# Altium PCB BMS029B.PcbDoc (part 1 of 4)
Units mil, origin at the board's own origin, x right, y up, seen from the top; angles counter-clockwise.
Board outline 4950 x 4000 mil, 4 copper layers (Layer 1 - Top Layer, Layer 2 - GND, Layer 3 - Signal, Layer 4 - Bottom Layer), stack 61.4 mil thick; 370 components, 202 nets, 969 pads, 408 vias.
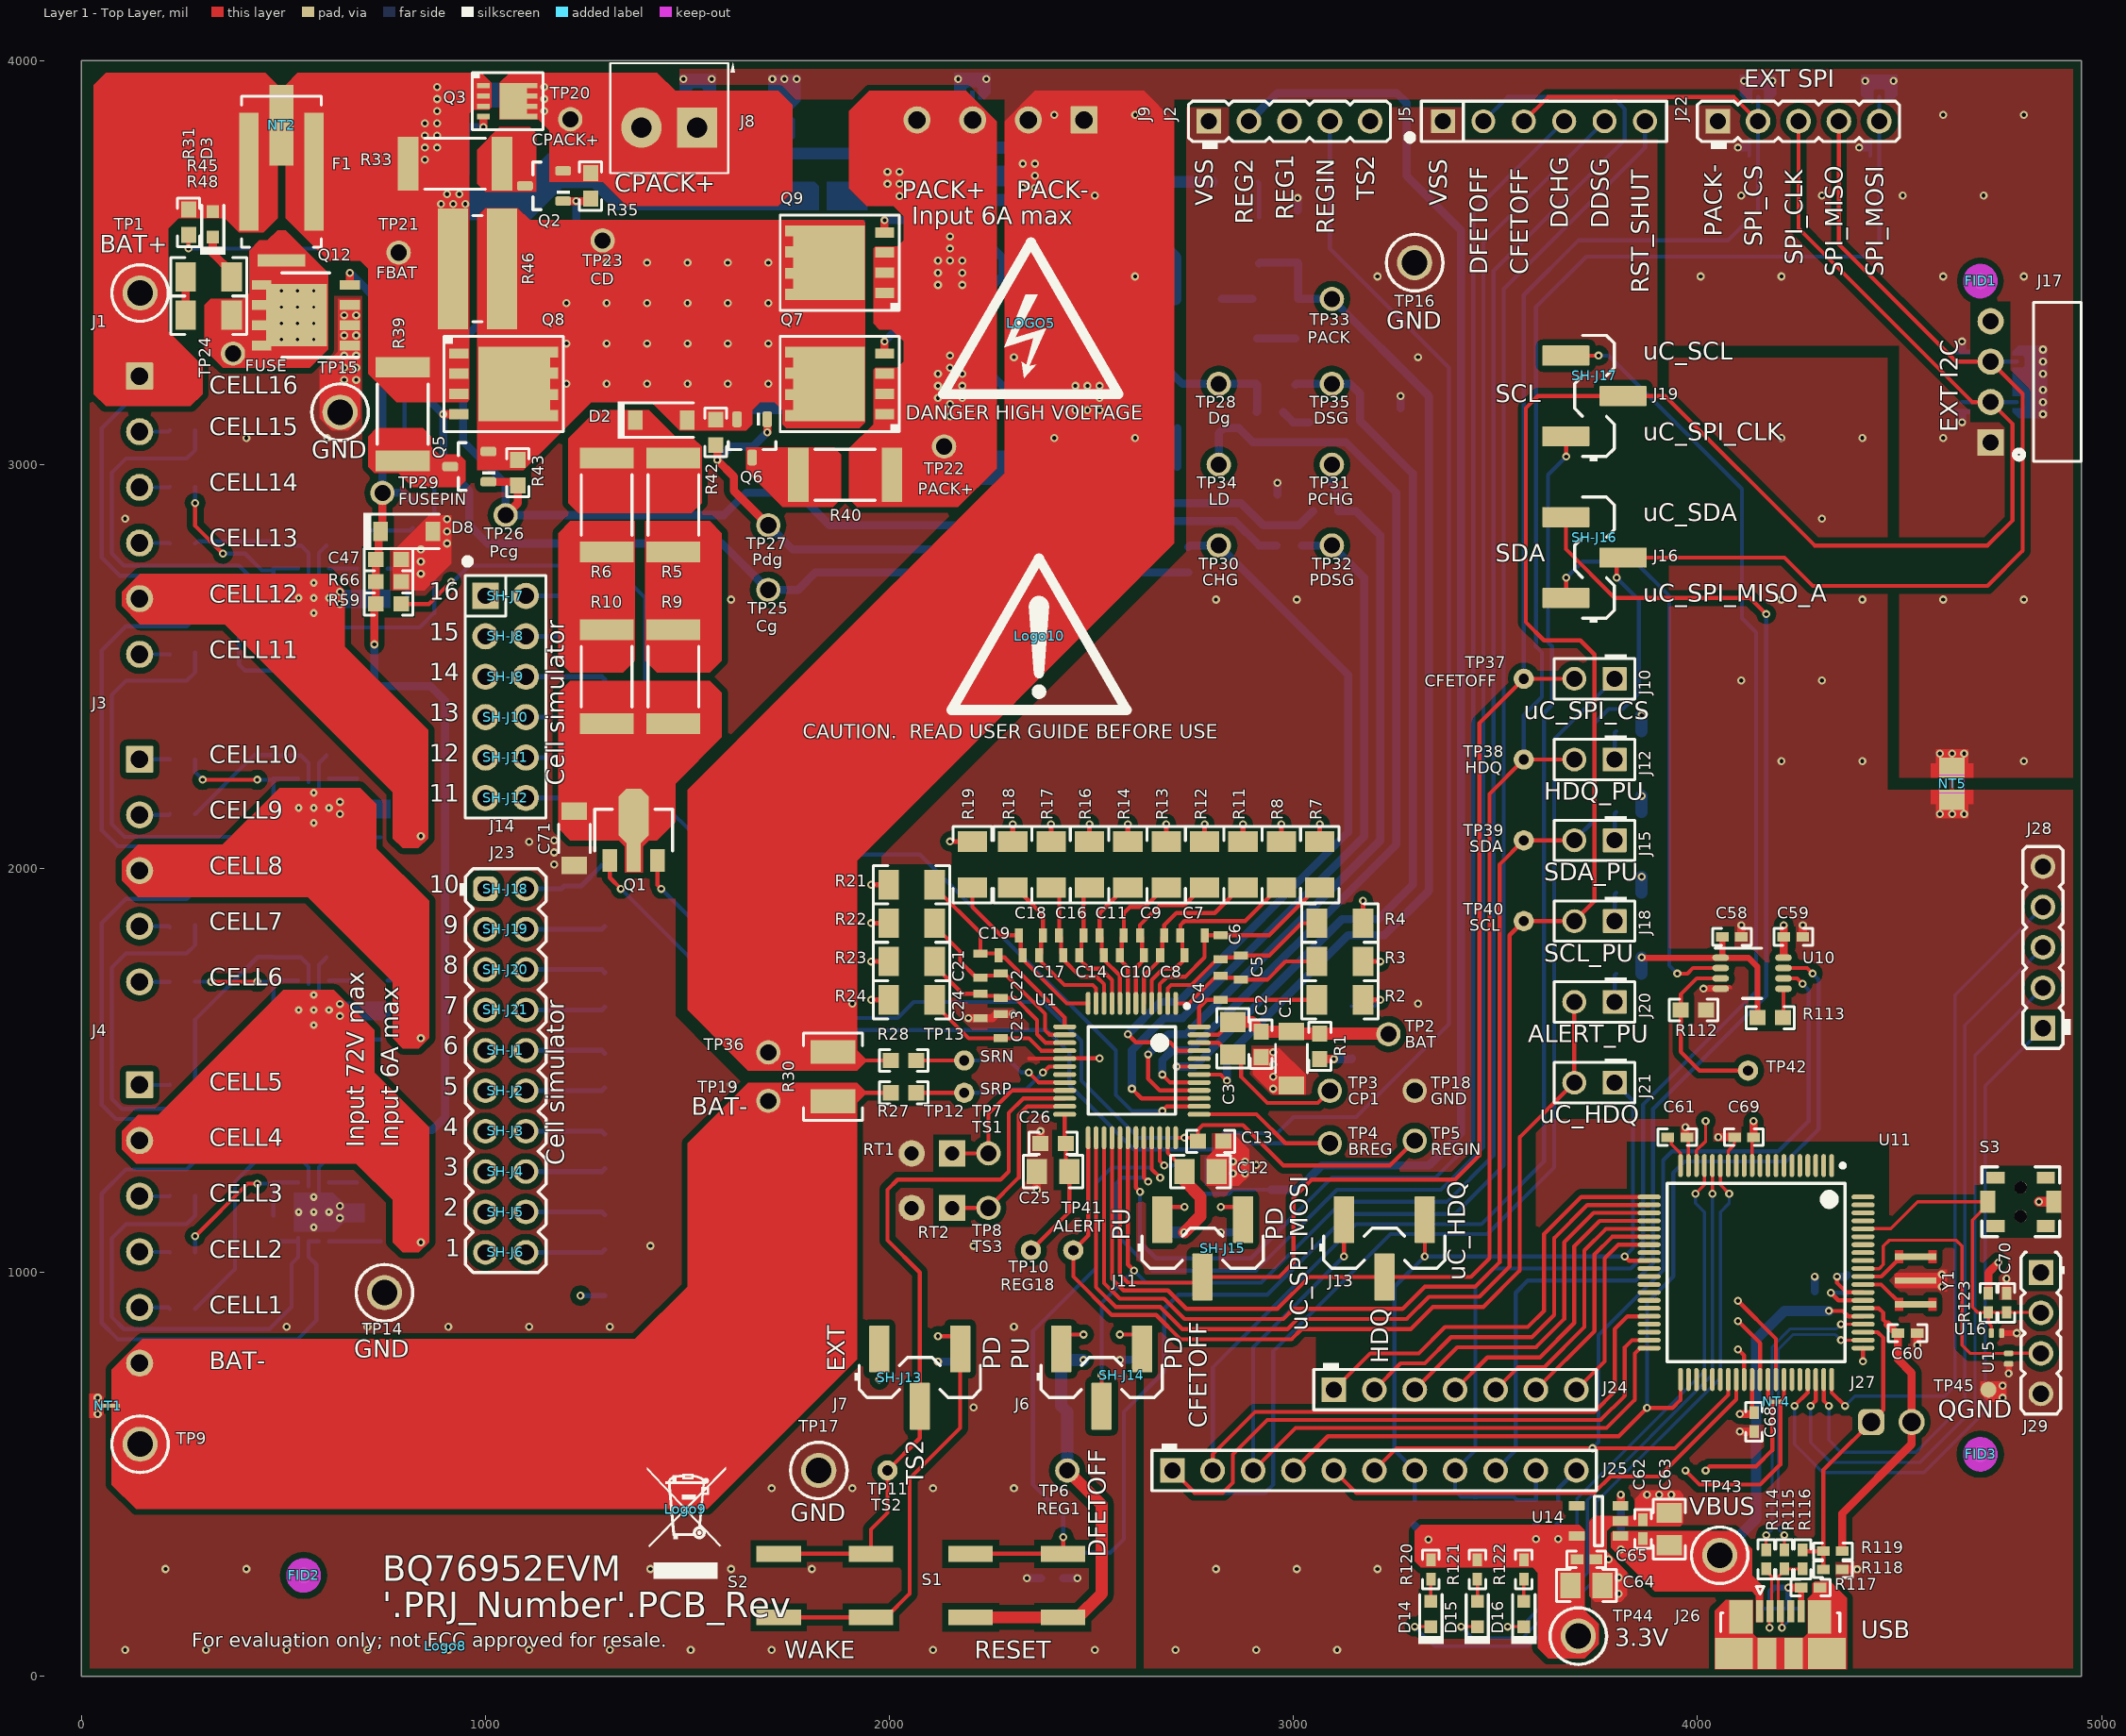
[diagram p0: Layer 1 - Top Layer view]
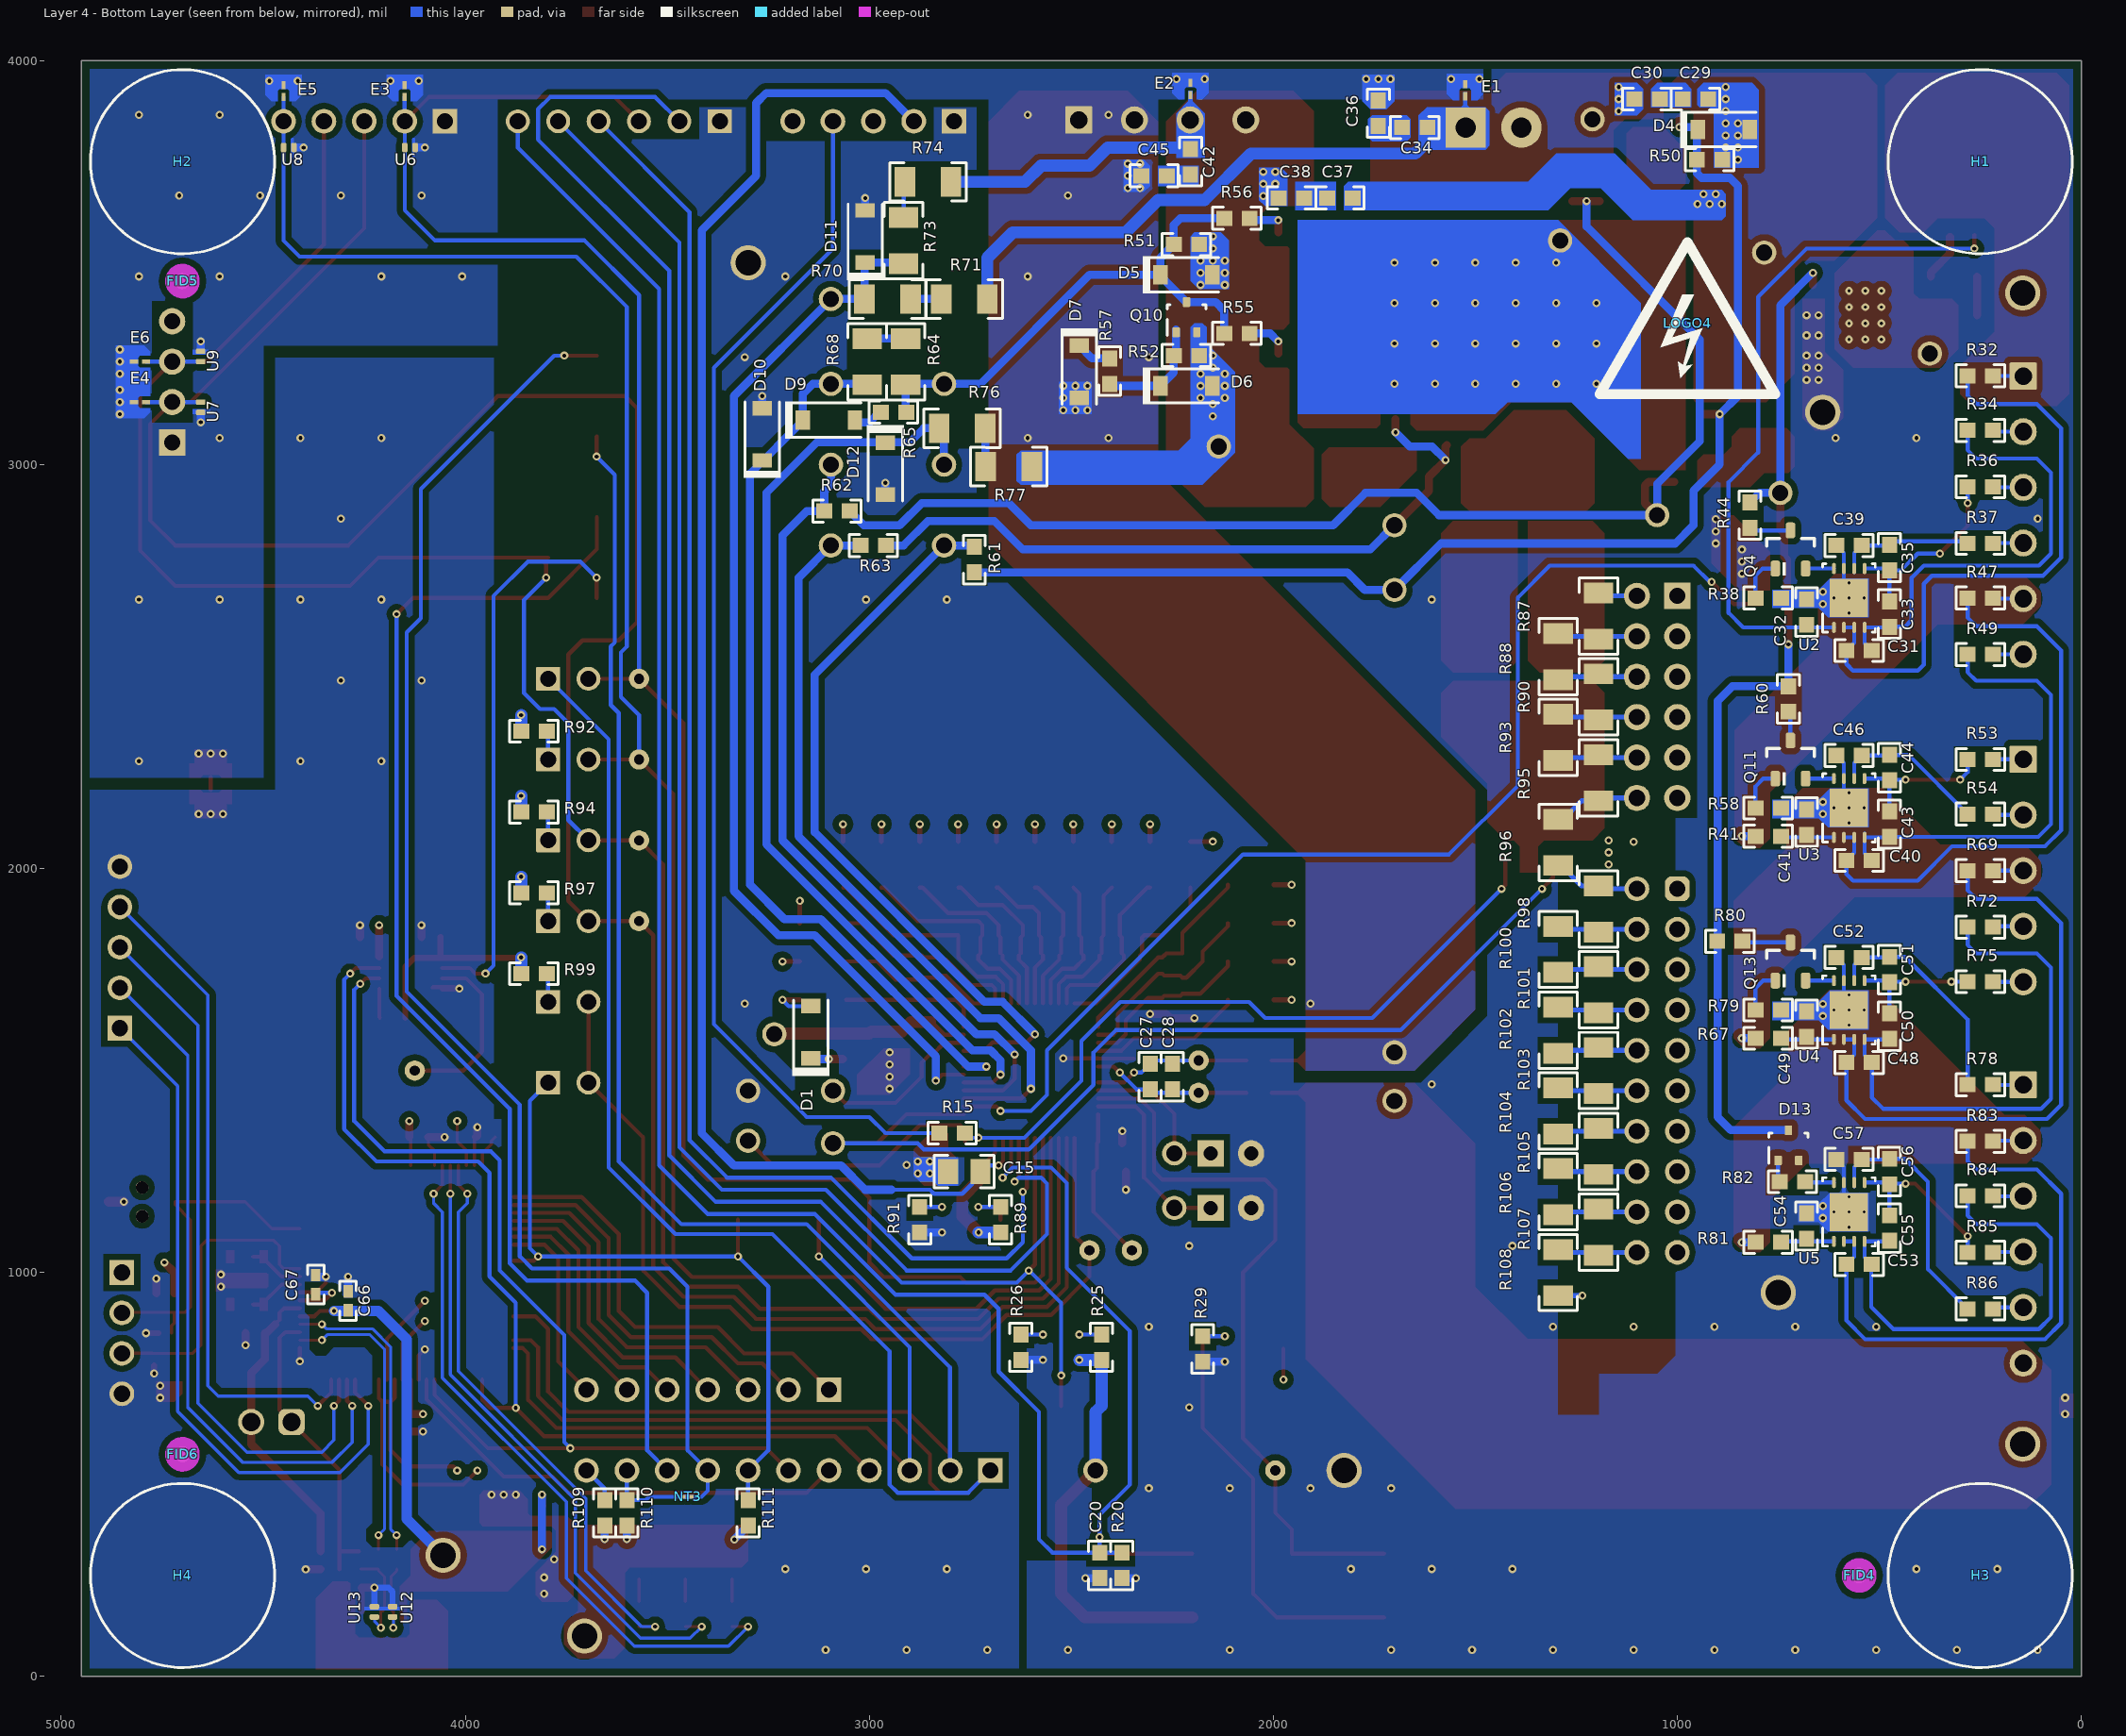
[diagram p1: Layer 4 - Bottom Layer view, seen from below]
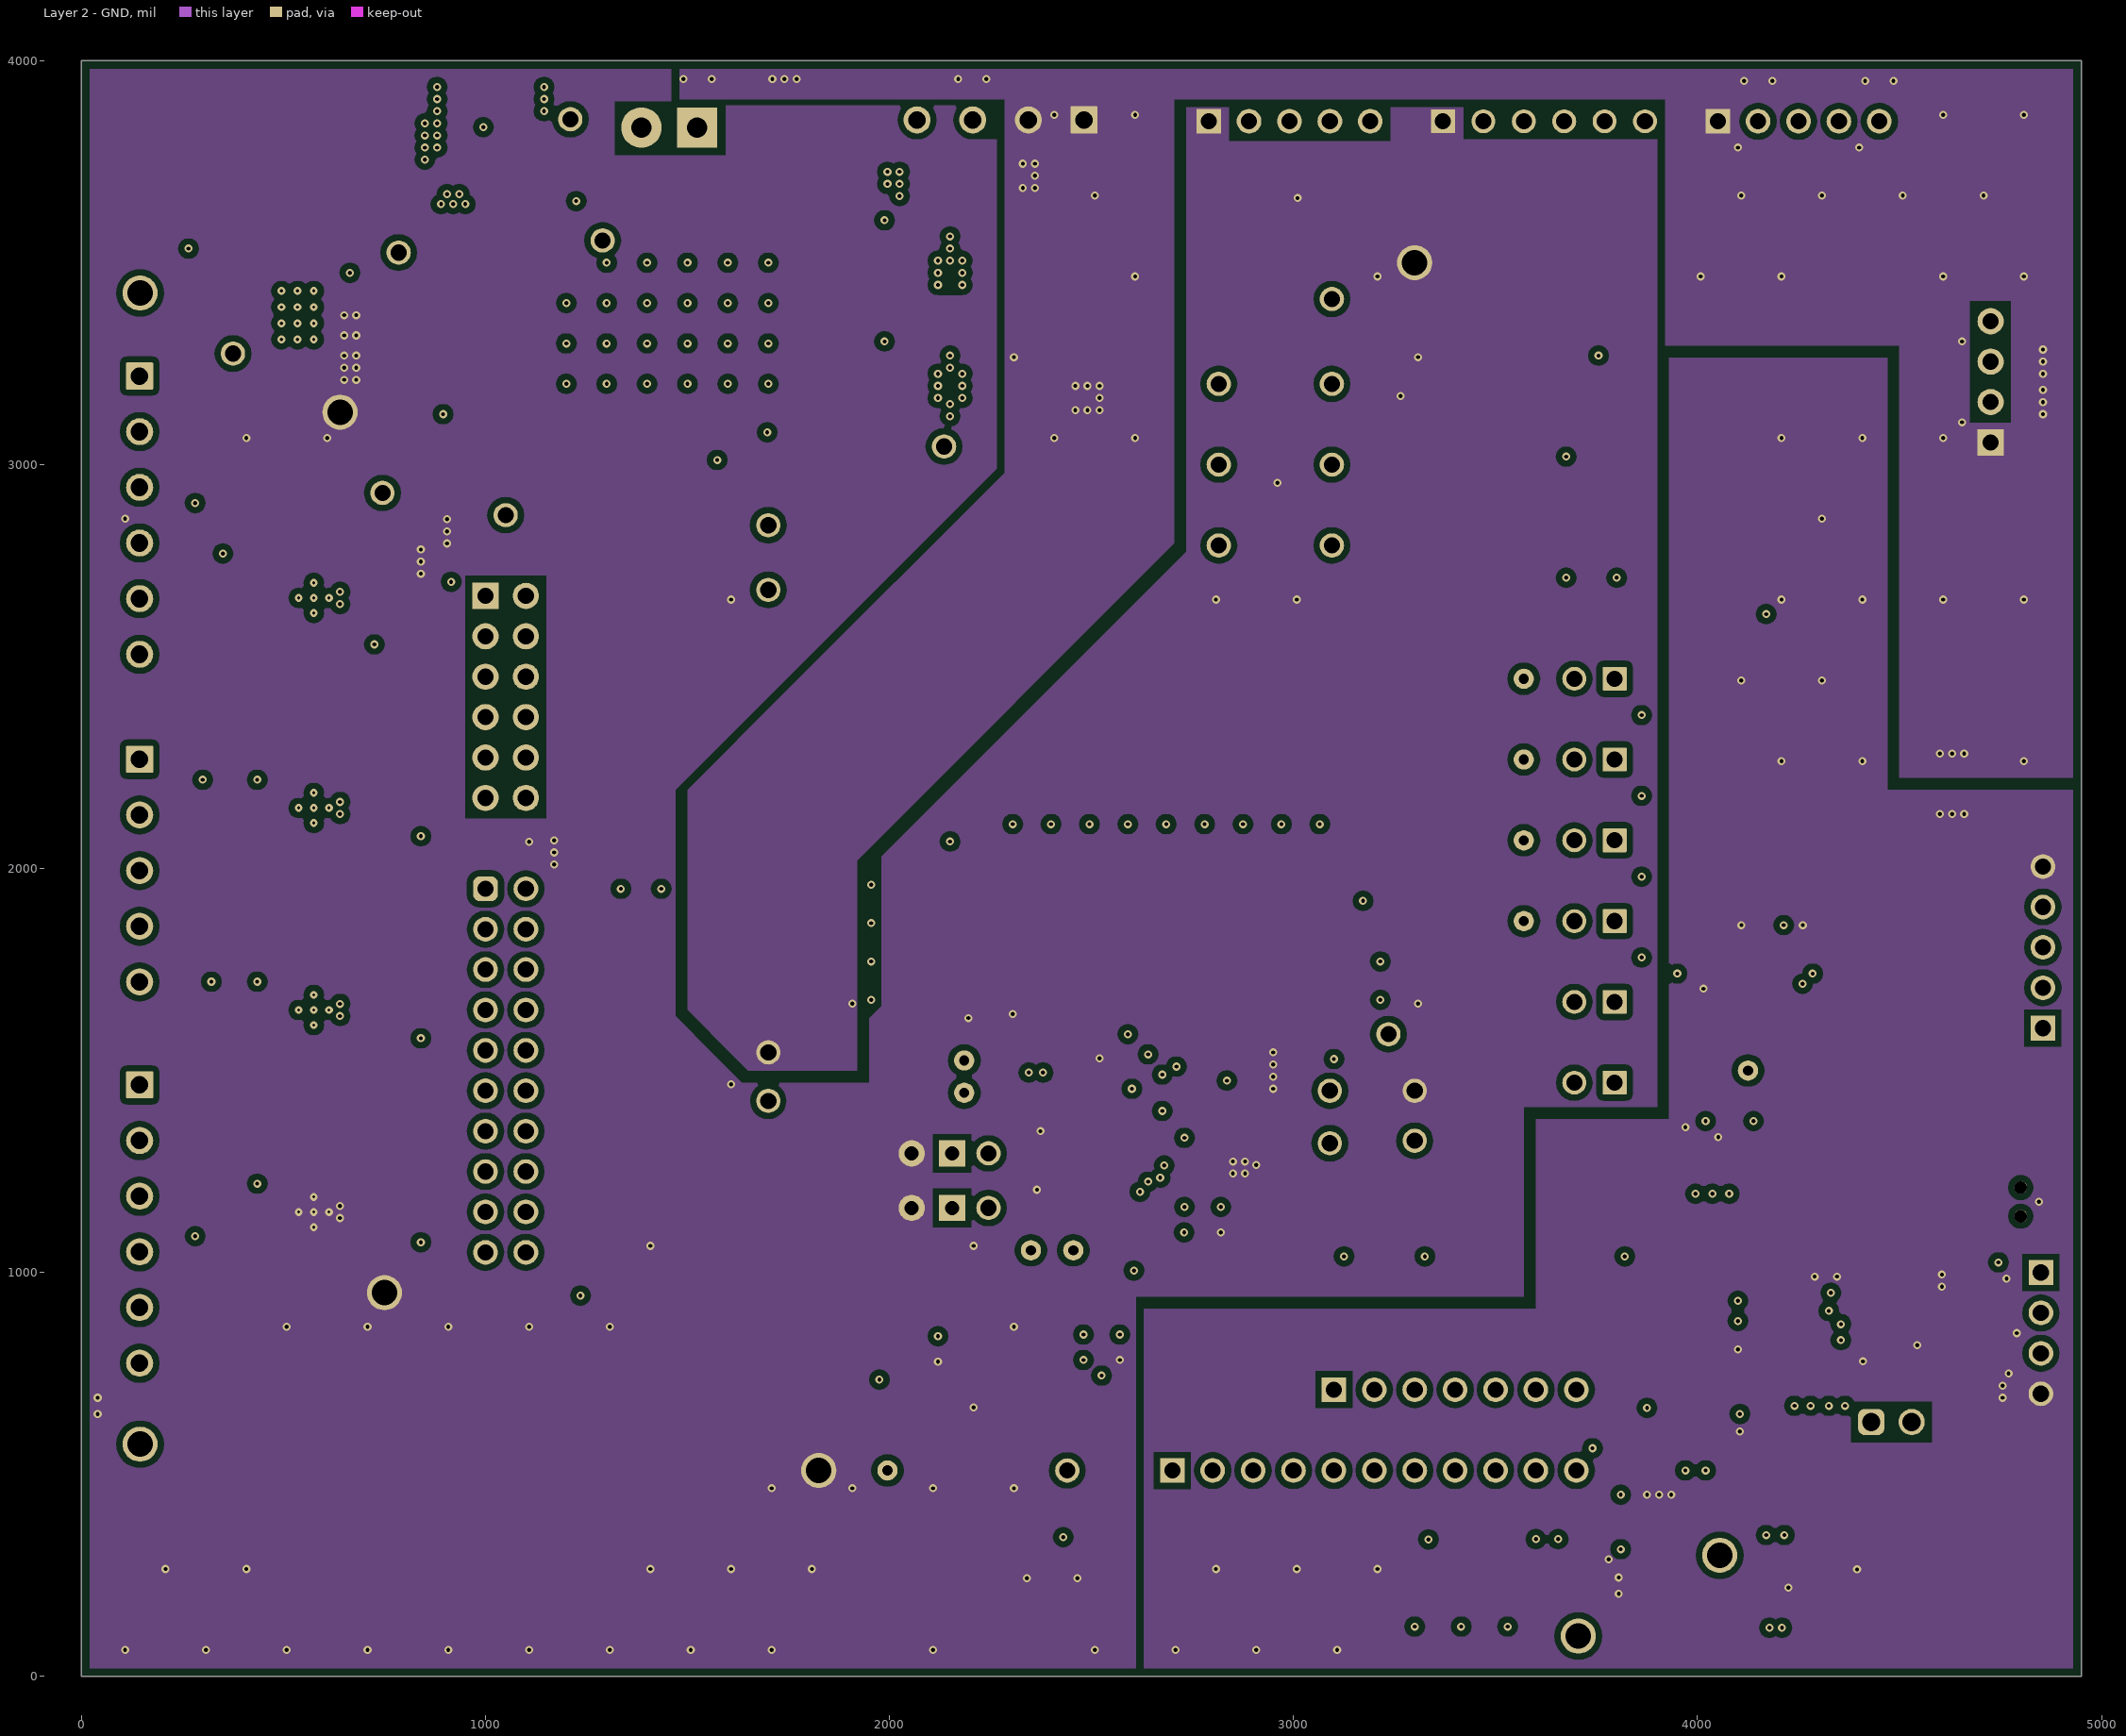
[diagram p2: Layer 2 - GND]